# Altium PCB Evaluation Board.PcbDoc (part 18 of 22)
Units mm, origin at the board's own origin, x right, y up, seen from the top; angles counter-clockwise.
Board outline 200 x 200 mm, 4 copper layers (Top Layer, GND, Power, Bottom Layer), stack 1.56 mm thick; 639 components, 758 nets, 3043 pads, 1306 vias.
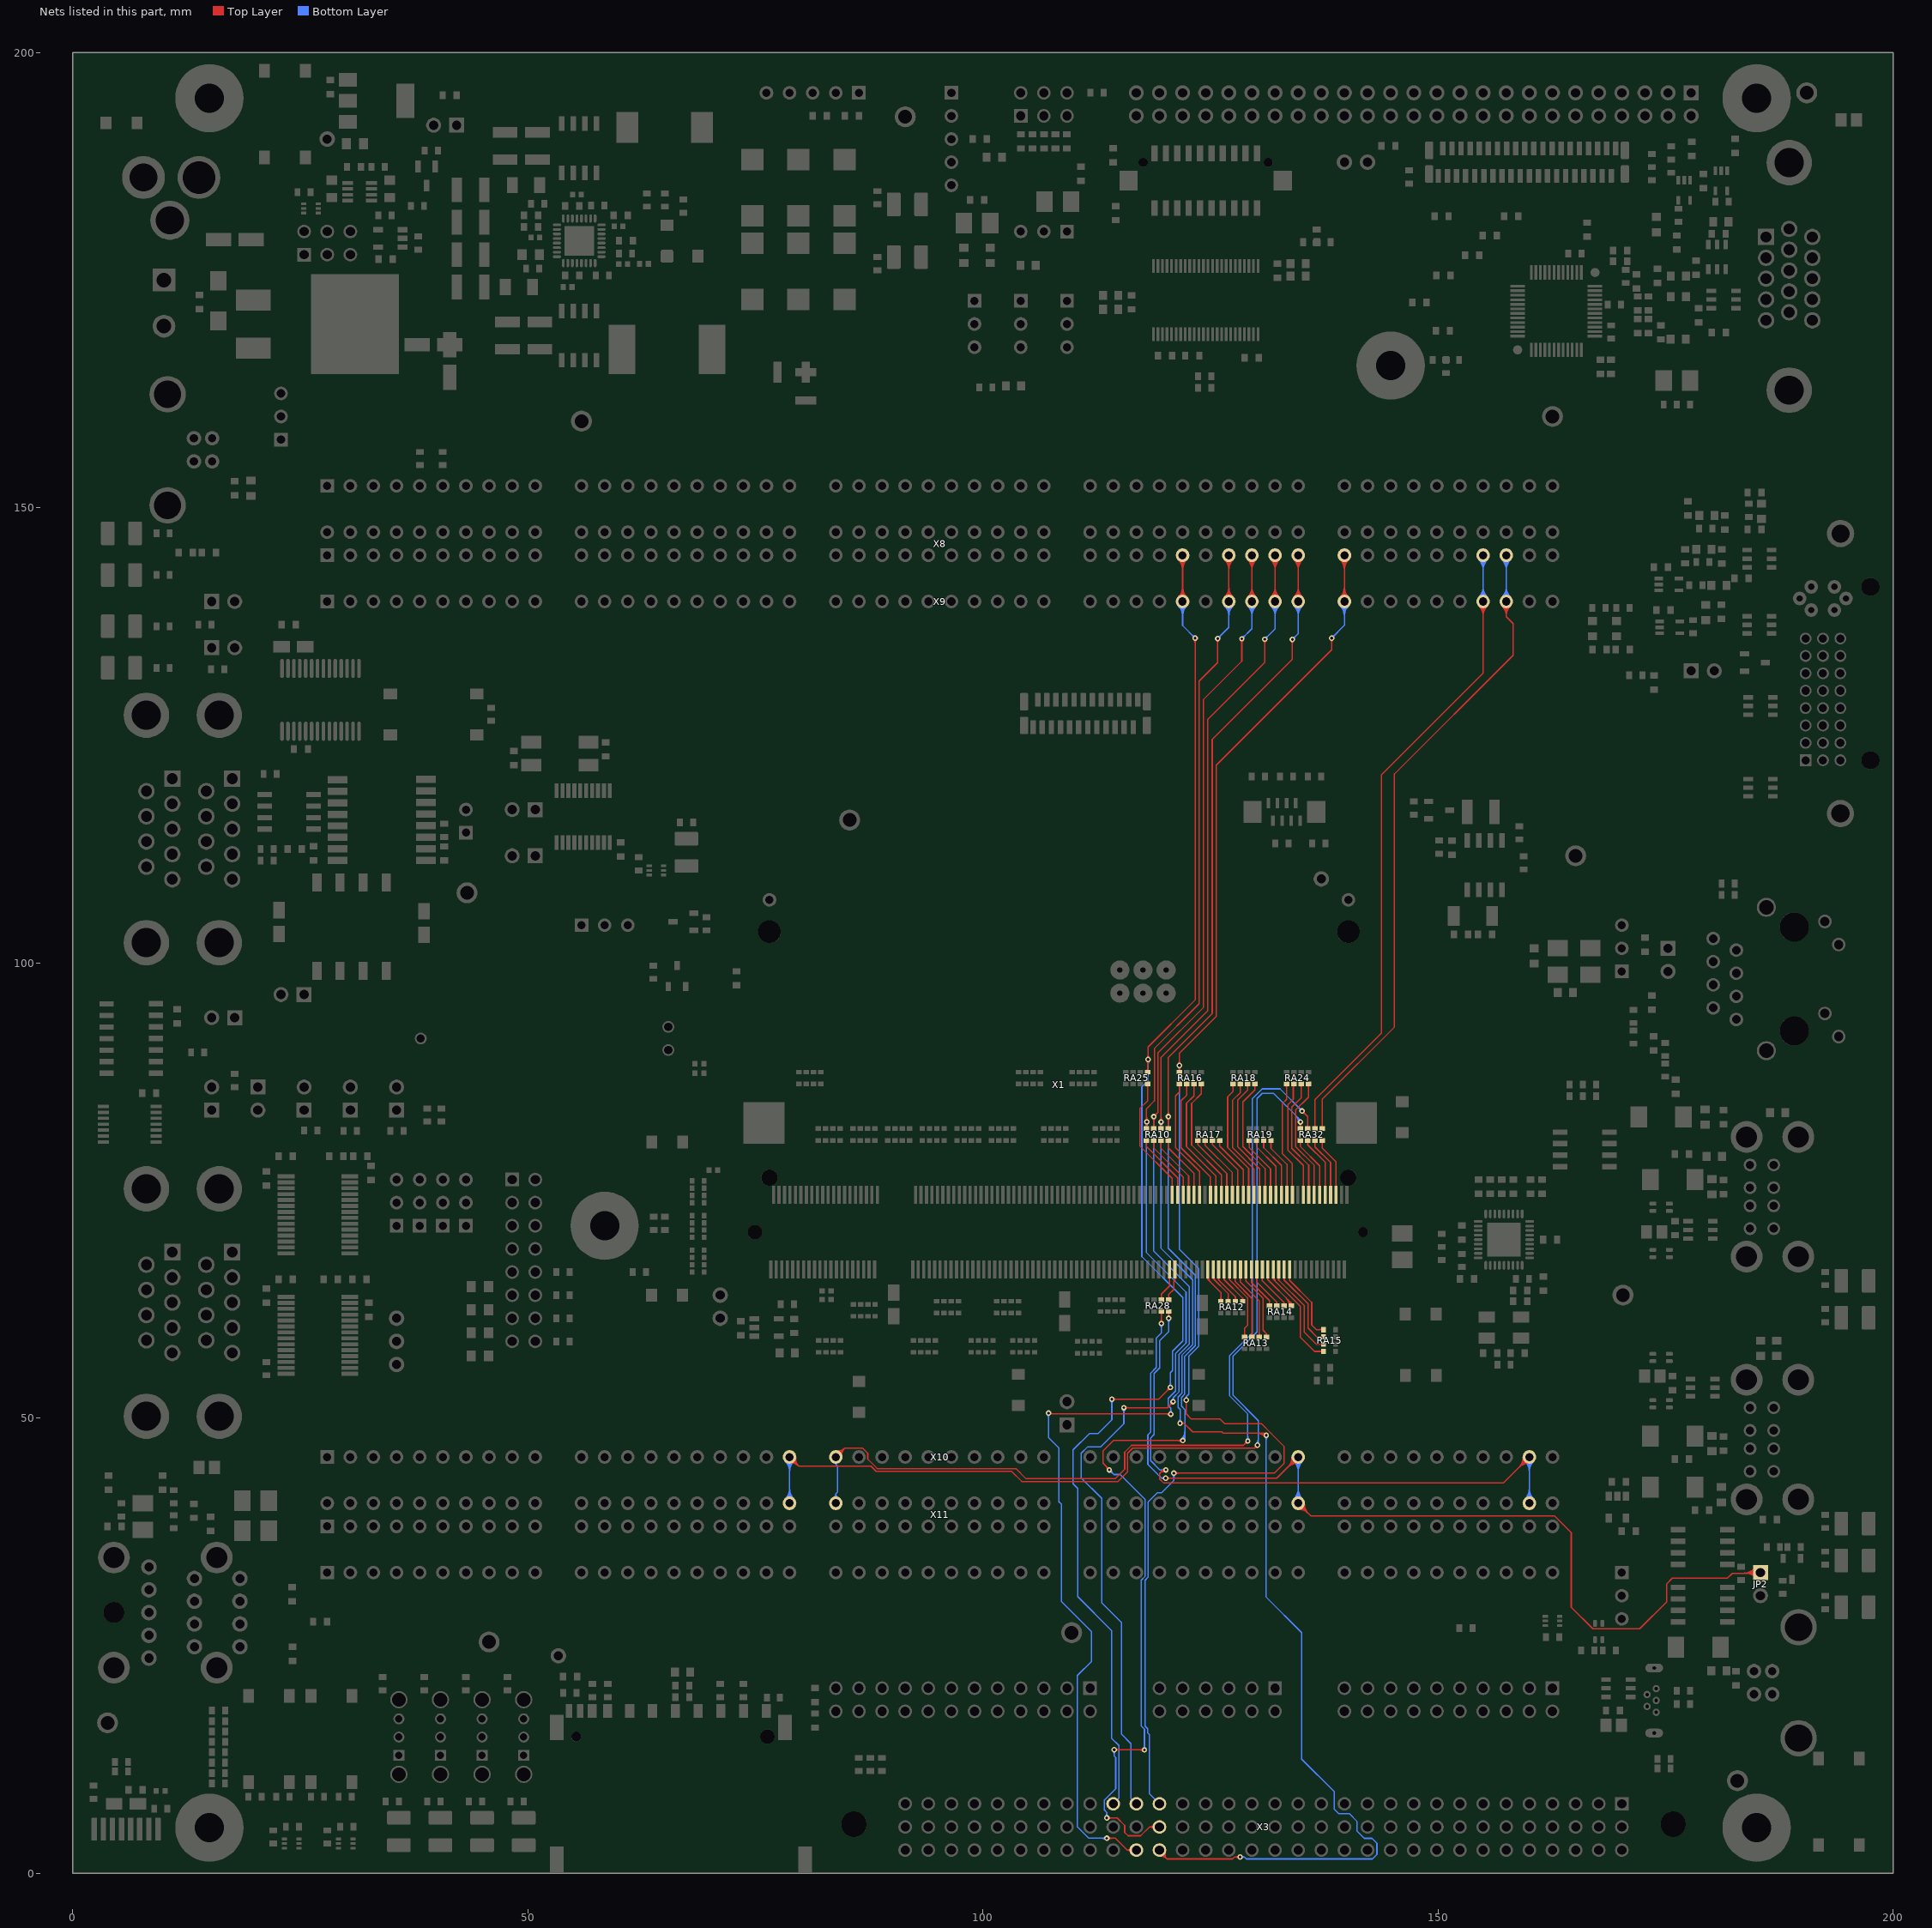
[diagram p20: the nets of this part, all layers, seen from the top]

## Via types
v1: diameter 0.6, hole 0.3, Top Layer to Bottom Layer, 1222 vias
v2: diameter 0.6, hole 0.3, Top Layer to Bottom Layer, tented both sides, 84 vias

## Nets (pads, with @x,y where several pads share a name; then routed paths per layer and width w, separated by ;. In a path a pad name is that pad's centre, name@x,y a point inside that pad or via, vN(x,y) a via of type N, cw(c..) or ccw(c..) an arc to the next point about the centre after c; other vN are vias at no path point) (continued)
SODIMM_135: JP2.1 RA28.6 X10.40 X11.B40 | length 141
  Top Layer w0.15: v1@119.437,60.535 ccw(c119.053,60.919) 119.596,60.919 ccw(c120.139,60.919) v1@119.755,60.535 ; RA28.6@119.472,61.568 cw(c119.174,61.269) 119.596,61.269 cw(c120.018,61.269) RA28.6@119.72,61.568 ; v1(119.596,60.376) RA28.6@119.596,61.692 ; v1(120.066,43.383) 132.258,43.383 X10.40@134.607,45.733 ; v1@120.225,43.224 cw(c120.609,42.84) 120.609,43.383 cw(c120.609,43.926) v1@120.225,43.542 ; 133.424,44.55 cw(c134.62,43.354) X10.40@134.62,45.045 ; 133.486,44.611 ccw(c132.377,45.72) X10.40@133.945,45.72 ; 133.68,44.806 cw(c134.62,43.866) X10.40@134.62,45.195 ; 133.742,44.867 ccw(c132.889,45.72) X10.40@134.095,45.72 ; 133.936,45.062 cw(c134.62,44.378) X10.40@134.62,45.345 ; 133.998,45.123 ccw(c133.401,45.72) X10.40@134.245,45.72 ; X11.B40@134.62,39.965 cw(c134.62,38.335) 135.772,39.488 cw(c136.925,40.64) X11.B40@135.295,40.64 ; X11.B40@134.62,40.115 cw(c134.62,38.848) 135.516,39.744 cw(c136.412,40.64) X11.B40@135.145,40.64 ; X11.B40@134.62,40.265 cw(c134.62,39.36) 135.26,40 cw(c135.9,40.64) X11.B40@134.995,40.64 ; X11.B40@134.62,40.64 136.035,39.225 162.814,39.225 164.625,37.414 164.625,29.217 166.998,26.844 172.144,26.844 175.1,29.8 175.1,31.775 175.725,32.4 181.775,32.4 182.316,32.941 185.341,32.941 JP2.1@185.42,33.02 ; 183.419,32.941 ccw(c183.419,35.021) JP2.1@184.89,33.55 ; 183.781,32.941 ccw(c183.781,34.659) JP2.1@184.996,33.444 ; 183.8,32.941 cw(c183.8,31.4) JP2.1@184.89,32.49 ; 184.143,32.941 ccw(c184.143,34.297) JP2.1@185.102,33.338 ; 184.162,32.941 cw(c184.162,31.762) JP2.1@184.996,32.596 ; 184.505,32.941 ccw(c184.505,33.935) JP2.1@185.208,33.232 ; 184.524,32.941 cw(c184.524,32.124) JP2.1@185.102,32.702
  Bottom Layer w0.15: v1@119.437,60.217 cw(c119.053,59.833) 119.596,59.833 cw(c120.139,59.833) v1@119.755,60.217 ; v1(119.596,60.376) 119.596,59.35 119.025,58.779 119.025,55.546 118.4,54.921 118.4,48.45 118.105,48.155 118.105,44.893 119.143,43.855 119.143,43.849 119.609,43.383 ; v1@119.888,43.246 ccw(c119.609,43.031) 119.609,43.383 ; v1@119.888,43.52 cw(c119.609,43.735) 119.609,43.383 ; v1(120.066,43.383) 119.609,43.383 ; X11.B40@134.143,41.117 ccw(c132.99,42.27) 134.62,42.27 ccw(c136.25,42.27) X11.B40@135.097,41.117 ; X10.40@134.143,45.243 cw(c132.99,44.09) 134.62,44.09 cw(c136.25,44.09) X10.40@135.097,45.243 ; X11.B40@134.249,41.011 ccw(c133.353,41.907) 134.62,41.907 ccw(c135.887,41.907) X11.B40@134.991,41.011 ; X10.40@134.249,45.349 cw(c133.353,44.453) 134.62,44.453 cw(c135.887,44.453) X10.40@134.991,45.349 ; X11.B40@134.355,40.905 ccw(c133.715,41.545) 134.62,41.545 ccw(c135.525,41.545) X11.B40@134.885,40.905 ; X10.40@134.355,45.455 cw(c133.715,44.815) 134.62,44.815 cw(c135.525,44.815) X10.40@134.885,45.455 ; X11.B40@134.62,40.64 X10.40@134.62,45.72
SODIMM_135_S: RA28.2 X1.135 | length 4.7
  Top Layer w0.15: RA28.2@119.472,63.116 ccw(c119.174,63.414) 119.596,63.414 ccw(c120.018,63.414) RA28.2@119.72,63.116 ; RA28.2@119.596,62.992 119.596,63.614 120.482,64.5 X1.135@120.482,66.316 ; X1.135@120.411,65.421 cw(c120.241,65.25) 120.482,65.25 cw(c120.723,65.25) X1.135@120.553,65.421
SODIMM_136: RA25.8 X3.A23 X8.A35 X9.35 | length 180.7
  Top Layer w0.15: v1(114.148,52.07) 119.278,52.07 v1(120.574,53.365) ; v1@114.307,51.911 cw(c114.691,51.527) 114.691,52.07 cw(c114.691,52.613) v1@114.307,52.229 ; RA25.8@117.948,88.114 ccw(c117.649,88.413) 118.072,88.413 ccw(c118.494,88.413) RA25.8@118.195,88.114 ; v1@117.976,89.224 cw(c117.746,88.993) 118.072,88.993 ; v1@117.976,89.542 ccw(c117.592,89.926) 118.135,89.926 ccw(c118.679,89.926) v1@118.294,89.542 ; RA25.8@118.072,87.99 v1@118.072,89.319 ; 118.072,88.685 cw(c118.833,88.685) v1@118.294,89.224 ; 118.072,89.047 cw(c118.471,89.047) v1@118.188,89.33 ; v1(118.135,89.383) 118.135,90.76 123.3,95.925 v1(123.3,135.675) ; v1@120.349,53.365 cw(c119.806,53.365) 120.19,52.981 cw(c120.574,52.597) v1@120.574,53.14 ; X9.35@121.443,140.177 ccw(c120.29,141.33) 121.92,141.33 ccw(c123.55,141.33) X9.35@122.397,140.177 ; X8.A35@121.443,144.303 cw(c120.29,143.15) 121.92,143.15 cw(c123.55,143.15) X8.A35@122.397,144.303 ; X9.35@121.549,140.071 ccw(c120.653,140.967) 121.92,140.967 ccw(c123.187,140.967) X9.35@122.291,140.071 ; X8.A35@121.549,144.409 cw(c120.653,143.513) 121.92,143.513 cw(c123.187,143.513) X8.A35@122.291,144.409 ; X9.35@121.655,139.965 ccw(c121.015,140.605) 121.92,140.605 ccw(c122.825,140.605) X9.35@122.185,139.965 ; X8.A35@121.655,144.515 cw(c121.015,143.875) 121.92,143.875 cw(c122.825,143.875) X8.A35@122.185,144.515 ; X9.35@121.92,139.7 X8.A35@121.92,144.78 ; v1@123.141,135.516 cw(c122.757,135.132) 123.3,135.132 cw(c123.843,135.132) v1@123.459,135.516
  Bottom Layer w0.15: v1@113.989,51.911 cw(c113.604,51.527) 114.148,51.527 cw(c114.691,51.527) v1@114.307,51.911 ; v1(114.148,52.07) 114.148,49.798 112.65,48.3 111.688,48.3 109.885,46.497 109.885,42.775 110.4,42.26 110.4,30.372 114.134,26.638 114.134,14.813 114.927,14.021 114.927,8.247 X3.A23@114.3,7.62 ; v1@117.976,89.224 cw(c117.592,88.839) 118.135,88.839 cw(c118.679,88.839) v1@118.294,89.224 ; v1@118.135,89.243 118.135,87.06 117.446,86.371 117.446,67.729 121.95,63.225 121.95,58.475 120.825,57.35 120.825,55.224 120.574,54.973 v1(120.574,53.365) ; v1@120.415,53.524 ccw(c120.031,53.909) 120.574,53.909 ccw(c121.117,53.909) v1@120.733,53.524 ; X9.35@121.443,139.223 cw(c120.29,138.07) 121.92,138.07 cw(c123.55,138.07) X9.35@122.397,139.223 ; X9.35@121.549,139.329 cw(c120.653,138.433) 121.92,138.433 cw(c123.187,138.433) X9.35@122.291,139.329 ; X9.35@121.655,139.435 cw(c121.015,138.795) 121.92,138.795 cw(c122.825,138.795) X9.35@122.185,139.435 ; X9.35@121.92,139.7 121.92,137.051 123.296,135.675 v1(123.3,135.675) ; 122.909,136.062 ccw(c123.3,136.453) v1@123.3,135.9 ; 122.919,136.053 cw(c122.541,135.675) v1@123.075,135.675
SODIMM_136_S: RA25.4 X1.136 | length 15
  Top Layer w0.15: RA25.4@117.948,86.566 cw(c117.649,86.268) 118.072,86.268 cw(c118.494,86.268) RA25.4@118.195,86.566 ; RA25.4@118.072,86.69 118.072,84.848 117.221,83.998 117.221,79.891 120.782,76.33 X1.136@120.782,74.516 ; X1.136@120.711,75.412 ccw(c120.541,75.583) 120.782,75.583 ccw(c121.023,75.583) X1.136@120.853,75.412
SODIMM_137: RA28.5 X10.49 X11.B49 | length 90
  Top Layer w0.15: 119.582,44.093 cw(c119.942,43.732) v1@120.072,44.225 ; 119.766,44.277 cw(c120.019,44.024) v1@120.11,44.37 ; v1@119.876,44.231 ccw(c119.786,44.204) 119.786,44.298 ; v1@119.876,44.364 cw(c119.786,44.392) 119.786,44.298 ; v1@120.034,44.08 ccw(c119.865,43.44) 119.397,43.908 ; v1(120.091,44.298) 119.786,44.298 ; RA28.5@120.272,61.568 cw(c119.974,61.269) 120.396,61.269 cw(c120.818,61.269) RA28.5@120.52,61.568 ; v1(120.396,60.96) RA28.5@120.396,61.692 ; X10.49@159.345,45.72 cw(c157.715,45.72) 158.868,44.568 cw(c160.02,43.415) X10.49@160.02,45.045 ; X10.49@159.495,45.72 cw(c158.228,45.72) 159.124,44.824 cw(c160.02,43.928) X10.49@160.02,45.195 ; X10.49@159.645,45.72 cw(c158.74,45.72) 159.38,45.08 cw(c160.02,44.44) X10.49@160.02,45.345 ; X10.49@160.02,45.72 157.158,42.858 119.848,42.858 119.397,43.31 119.397,43.908 ; 119.397,43.908 119.786,44.298
  Bottom Layer w0.15: v1@119.932,44.139 ccw(c119.548,43.754) 119.548,44.298 ccw(c119.548,44.841) v1@119.932,44.457 ; v1(120.091,44.298) 119.424,44.298 118.405,45.316 118.405,47.805 118.791,48.191 118.791,54.887 119.4,55.496 119.4,58.5 120.396,59.496 v1(120.396,60.96) ; v1@120.237,60.801 cw(c119.853,60.417) 120.396,60.417 cw(c120.939,60.417) v1@120.555,60.801 ; X11.B49@159.543,41.117 ccw(c158.39,42.27) 160.02,42.27 ccw(c161.65,42.27) X11.B49@160.497,41.117 ; X10.49@159.543,45.243 cw(c158.39,44.09) 160.02,44.09 cw(c161.65,44.09) X10.49@160.497,45.243 ; X11.B49@159.649,41.011 ccw(c158.753,41.907) 160.02,41.907 ccw(c161.287,41.907) X11.B49@160.391,41.011 ; X10.49@159.649,45.349 cw(c158.753,44.453) 160.02,44.453 cw(c161.287,44.453) X10.49@160.391,45.349 ; X11.B49@159.755,40.905 ccw(c159.115,41.545) 160.02,41.545 ccw(c160.925,41.545) X11.B49@160.285,40.905 ; X10.49@159.755,45.455 cw(c159.115,44.815) 160.02,44.815 cw(c160.925,44.815) X10.49@160.285,45.455 ; X11.B49@160.02,40.64 X10.49@160.02,45.72
SODIMM_137_S: RA28.1 X1.137 | length 4.7
  Top Layer w0.15: RA28.1@120.272,63.116 ccw(c119.974,63.414) 120.396,63.414 ccw(c120.818,63.414) RA28.1@120.52,63.116 ; RA28.1@120.396,62.992 120.396,63.576 120.959,64.139 120.959,65.022 121.097,65.161 121.082,65.176 X1.137@121.082,66.316 ; X1.137@121.011,65.421 cw(c120.84,65.25) 121.082,65.25 cw(c121.323,65.25) X1.137@121.153,65.421
SODIMM_138: RA10.5 X3.C22 X8.A37 X9.37 | length 198.6
  Top Layer w0.15: v1(107.188,50.546) 107.284,50.45 111.887,50.45 111.898,50.461 112.333,50.461 112.344,50.45 120.611,50.45 120.625,50.436 v1(120.625,50.425) ; v2(113.589,3.835) 114.554,3.835 115.849,2.54 ; v2@113.748,3.676 cw(c114.132,3.292) 114.132,3.835 cw(c114.132,4.379) v2@113.748,3.994 ; X3.C22@116.212,2.293 ccw(c115.849,2.151) 115.849,2.54 ; X3.C22@116.212,2.787 cw(c115.849,2.929) 115.849,2.54 ; X3.C22@116.351,2.348 ccw(c116.07,2.237) 116.07,2.54 ccw(c116.07,2.843) X3.C22@116.351,2.732 ; X3.C22@116.84,2.54 115.849,2.54 ; v1@117.822,82.688 ccw(c117.493,83.016) 117.958,83.016 ; RA10.5@117.834,81.916 ccw(c117.535,82.215) 117.958,82.215 ccw(c118.38,82.215) RA10.5@118.081,81.916 ; RA10.5@117.958,81.793 v1@117.958,82.525 ; 117.958,83.128 ccw(c118.58,83.128) v1@118.14,82.688 ; v1(117.981,82.529) 117.962,82.529 v1@117.958,82.525 ; 120.021,50.45 cw(c120.021,49.821) v1@120.466,50.266 ; 120.142,50.45 ccw(c120.142,50.908) v1@120.466,50.584 ; v1@125.616,135.466 cw(c125.232,135.082) 125.775,135.082 cw(c126.318,135.082) v1@125.934,135.466 ; v1(125.775,135.625) 125.775,132.989 123.75,130.964 123.75,95.525 118.821,90.596 118.821,84.836 117.958,83.972 v1@117.958,82.525 ; X9.37@126.523,140.177 ccw(c125.37,141.33) 127,141.33 ccw(c128.63,141.33) X9.37@127.477,140.177 ; X8.A37@126.523,144.303 cw(c125.37,143.15) 127,143.15 cw(c128.63,143.15) X8.A37@127.477,144.303 ; X9.37@126.629,140.071 ccw(c125.733,140.967) 127,140.967 ccw(c128.267,140.967) X9.37@127.371,140.071 ; X8.A37@126.629,144.409 cw(c125.733,143.513) 127,143.513 cw(c128.267,143.513) X8.A37@127.371,144.409 ; X9.37@126.735,139.965 ccw(c126.095,140.605) 127,140.605 ccw(c127.905,140.605) X9.37@127.265,139.965 ; X8.A37@126.735,144.515 cw(c126.095,143.875) 127,143.875 cw(c127.905,143.875) X8.A37@127.265,144.515 ; X9.37@127,139.7 X8.A37@127,144.78
  Bottom Layer w0.15: v1@107.029,50.387 cw(c106.645,50.003) 107.188,50.003 cw(c107.731,50.003) v1@107.347,50.387 ; v1(107.188,50.546) 107.188,47.843 108.325,46.706 108.325,40.81 108.625,40.51 108.625,29.825 111.925,26.525 111.925,23.274 110.363,21.712 110.363,5.098 111.626,3.835 v2(113.589,3.835) ; v2@113.43,3.676 ccw(c113.046,3.292) 113.046,3.835 ccw(c113.046,4.379) v2@113.43,3.994 ; v1@117.822,82.37 cw(c117.493,82.042) 117.958,82.042 ; 117.958,81.93 cw(c118.58,81.93) v1@118.14,82.37 ; v1(117.981,82.529) 117.962,82.529 117.958,82.525 117.958,68.167 122.3,63.825 122.3,58.225 121.15,57.075 121.15,52.969 120.35,52.169 120.35,51.354 120.625,51.079 v1(120.625,50.425) ; v1@120.466,50.584 ccw(c120.082,50.968) 120.625,50.968 ccw(c121.168,50.968) v1@120.784,50.584 ; v1(125.775,135.625) 127,136.85 X9.37@127,139.7 ; v1@125.775,135.85 ccw(c125.775,136.393) 126.159,136.009 ccw(c126.543,135.625) v1@126,135.625 ; X9.37@126.523,139.223 cw(c125.37,138.07) 127,138.07 cw(c128.63,138.07) X9.37@127.477,139.223 ; X9.37@126.629,139.329 cw(c125.733,138.433) 127,138.433 cw(c128.267,138.433) X9.37@127.371,139.329 ; X9.37@126.735,139.435 cw(c126.095,138.795) 127,138.795 cw(c127.905,138.795) X9.37@127.265,139.435
SODIMM_138_S: RA10.1 X1.138 | length 8.4
  Top Layer w0.15: RA10.1@117.834,80.369 cw(c117.535,80.07) 117.958,80.07 cw(c118.38,80.07) RA10.1@118.081,80.369 ; RA10.1@117.958,80.493 117.958,79.817 121.382,76.393 X1.138@121.382,74.516 ; X1.138@121.311,75.412 ccw(c121.141,75.583) 121.382,75.583 ccw(c121.623,75.583) X1.138@121.453,75.412
SODIMM_140: RA10.6 X3.A22 X8.A38 X9.38 | length 181.6
  Top Layer w0.15: v1(115.468,51.13) 120.244,51.13 120.879,51.765 v1(120.879,51.791) ; v1@115.627,50.971 cw(c116.012,50.587) 116.012,51.13 cw(c116.012,51.673) v1@115.627,51.289 ; v1@118.598,82.95 cw(c118.214,82.566) 118.758,82.566 cw(c119.301,82.566) v1@118.917,82.95 ; RA10.6@118.634,81.916 ccw(c118.335,82.215) 118.758,82.215 ccw(c119.18,82.215) RA10.6@118.881,81.916 ; RA10.6@118.758,81.793 v1(118.758,83.109) 119.2,83.551 119.2,90.1 124.225,95.125 124.225,128.949 128.425,133.149 v1(128.425,135.6) ; v1@118.758,83.334 ccw(c118.758,83.877) 119.142,83.493 ccw(c119.526,83.109) v1@118.983,83.109 ; 120.477,51.363 ccw(c120.049,51.791) v1@120.654,51.791 ; 120.538,51.424 cw(c120.879,51.084) v1@120.879,51.566 ; v1@128.266,135.441 cw(c127.882,135.057) 128.425,135.057 cw(c128.968,135.057) v1@128.584,135.441 ; X9.38@129.063,140.177 ccw(c127.91,141.33) 129.54,141.33 ccw(c131.17,141.33) X9.38@130.017,140.177 ; X8.A38@129.063,144.303 cw(c127.91,143.15) 129.54,143.15 cw(c131.17,143.15) X8.A38@130.017,144.303 ; X9.38@129.169,140.071 ccw(c128.273,140.967) 129.54,140.967 ccw(c130.807,140.967) X9.38@129.911,140.071 ; X8.A38@129.169,144.409 cw(c128.273,143.513) 129.54,143.513 cw(c130.807,143.513) X8.A38@129.911,144.409 ; X9.38@129.275,139.965 ccw(c128.635,140.605) 129.54,140.605 ccw(c130.445,140.605) X9.38@129.805,139.965 ; X8.A38@129.275,144.515 cw(c128.635,143.875) 129.54,143.875 cw(c130.445,143.875) X8.A38@129.805,144.515 ; X9.38@129.54,139.7 X8.A38@129.54,144.78
  Bottom Layer w0.15: v1@115.309,50.971 cw(c114.925,50.587) 115.468,50.587 cw(c116.012,50.587) v1@115.627,50.971 ; v1(115.468,51.13) 115.468,49.368 112.95,46.85 111.511,46.85 110.785,46.124 110.785,43.418 113.035,41.168 113.035,29.69 115.225,27.5 115.225,15.25 116.256,14.219 116.256,8.204 X3.A22@116.84,7.62 ; v1@118.598,82.95 cw(c118.214,82.566) 118.758,82.566 cw(c119.301,82.566) v1@118.917,82.95 ; v1(118.758,83.109) 118.758,68.317 122.65,64.425 122.65,58.121 121.539,57.01 121.539,52.889 120.904,52.254 ; v1@120.755,51.979 ccw(c120.575,52.254) 120.904,52.254 ; v1@120.904,51.841 120.904,52.254 ; v1@121.033,51.954 cw(c121.317,52.254) 120.904,52.254 ; v1(128.425,135.6) 129.54,136.715 X9.38@129.54,139.7 ; v1@128.425,135.825 ccw(c128.425,136.368) 128.809,135.984 ccw(c129.193,135.6) v1@128.65,135.6 ; X9.38@129.063,139.223 cw(c127.91,138.07) 129.54,138.07 cw(c131.17,138.07) X9.38@130.017,139.223 ; X9.38@129.169,139.329 cw(c128.273,138.433) 129.54,138.433 cw(c130.807,138.433) X9.38@129.911,139.329 ; X9.38@129.275,139.435 cw(c128.635,138.795) 129.54,138.795 cw(c130.445,138.795) X9.38@129.805,139.435
SODIMM_140_S: RA10.2 X1.140 | length 8.4
  Top Layer w0.15: RA10.2@118.634,80.369 cw(c118.335,80.07) 118.758,80.07 cw(c119.18,80.07) RA10.2@118.881,80.369 ; RA10.2@118.758,80.493 118.758,79.667 121.982,76.443 X1.140@121.982,74.516 ; X1.140@121.911,75.412 ccw(c121.741,75.583) 121.982,75.583 ccw(c122.223,75.583) X1.140@122.053,75.412
SODIMM_142: RA10.7 X3.C21 X8.A39 X9.39 | length 222.5
  Top Layer w0.15: X3.C21@119.38,2.54 119.38,2.388 120.203,1.565 ; v1@119.398,82.684 ccw(c119.014,83.068) 119.558,83.068 ccw(c120.101,83.068) v1@119.717,82.684 ; X3.C21@119.408,2.016 cw(c119.448,1.286) 119.965,1.803 ; X3.C21@119.417,1.866 cw(c119.472,0.835) 120.203,1.565 ; RA10.7@119.434,81.916 ccw(c119.135,82.215) 119.558,82.215 ccw(c119.98,82.215) RA10.7@119.681,81.916 ; RA10.7@119.558,81.793 v1(119.558,82.525) 119.558,89.633 124.7,94.775 124.7,126.757 130.95,133.007 v1(130.95,135.55) ; X3.C21@119.736,2.423 ccw(c120.214,2.265) 119.858,1.909 ; X3.C21@119.879,2.376 ccw(c120.473,2.18) 120.03,1.737 ; X3.C21@120.021,2.329 ccw(c120.732,2.094) 120.203,1.565 ; v1(121.641,49.428) 122.072,49.428 ; v1@121.825,49.3 cw(c122.072,49.128) 122.072,49.428 ; v1@121.825,49.557 ccw(c122.072,49.729) 122.072,49.428 ; v2@128.086,1.619 ccw(c127.701,1.235) 127.701,1.778 ccw(c127.701,2.321) v2@128.086,1.937 ; v2(128.245,1.778) 127.617,1.778 127.404,1.565 120.203,1.565 ; 129.999,48.345 cw(c129.999,46.992) v1@130.956,47.949 ; 130.362,48.345 cw(c130.362,47.354) v1@131.062,48.055 ; 130.724,48.345 cw(c130.724,47.716) v1@131.168,48.161 ; v1@130.791,135.391 cw(c130.407,135.007) 130.95,135.007 cw(c131.493,135.007) v1@131.109,135.391 ; v1@130.907,48.195 ccw(c130.781,48.248) 130.878,48.345 ; v1@131.028,48.315 cw(c130.975,48.442) 130.878,48.345 ; v1(131.115,48.108) 130.878,48.345 ; X9.39@131.603,140.177 ccw(c130.45,141.33) 132.08,141.33 ccw(c133.71,141.33) X9.39@132.557,140.177 ; X8.A39@131.603,144.303 cw(c130.45,143.15) 132.08,143.15 cw(c133.71,143.15) X8.A39@132.557,144.303 ; X9.39@131.709,140.071 ccw(c130.813,140.967) 132.08,140.967 ccw(c133.347,140.967) X9.39@132.451,140.071 ; X8.A39@131.709,144.409 cw(c130.813,143.513) 132.08,143.513 cw(c133.347,143.513) X8.A39@132.451,144.409 ; X9.39@131.815,139.965 ccw(c131.175,140.605) 132.08,140.605 ccw(c132.985,140.605) X9.39@132.345,139.965 ; X8.A39@131.815,144.515 cw(c131.175,143.875) 132.08,143.875 cw(c132.985,143.875) X8.A39@132.345,144.515 ; X9.39@132.08,139.7 X8.A39@132.08,144.78 ; 122.072,49.428 123.02,48.48 126.227,48.48 126.362,48.345 130.878,48.345
  Bottom Layer w0.15: v1@119.398,82.366 cw(c119.014,81.981) 119.558,81.981 cw(c120.101,81.981) v1@119.717,82.366 ; v1(119.558,82.525) 119.558,68.637 123.025,65.17 123.025,58.071 121.839,56.885 121.839,52.724 121.425,52.31 121.425,51.175 121.658,50.942 121.658,49.445 v1(121.641,49.428) ; v1@121.482,49.587 ccw(c121.056,50.013) 121.658,50.013 ; 121.658,49.931 ccw(c122.143,49.931) v1@121.8,49.587 ; v2(128.245,1.778) 128.702,1.778 ; v2@128.423,1.641 cw(c128.702,1.426) 128.702,1.778 ; v2@128.423,1.915 ccw(c128.702,2.13) 128.702,1.778 ; v1(130.95,135.55) 132.08,136.68 X9.39@132.08,139.7 ; v1@130.95,135.775 ccw(c130.95,136.318) 131.334,135.934 ccw(c131.718,135.55) v1@131.175,135.55 ; v1@130.956,47.949 cw(c130.595,47.588) 131.105,47.588 ; 131.105,47.541 cw(c131.682,47.541) v1@131.274,47.949 ; v1@131.105,48.123 131.105,30.32 135,26.425 135,12.533 138.6,8.933 138.6,7 139.075,6.525 140.249,6.525 141.1,5.674 141.1,4.6 141.875,3.825 142.725,3.825 143.275,3.275 143.275,2.05 142.79,1.565 128.915,1.565 128.702,1.778 ; X9.39@131.603,139.223 cw(c130.45,138.07) 132.08,138.07 cw(c133.71,138.07) X9.39@132.557,139.223 ; X9.39@131.709,139.329 cw(c130.813,138.433) 132.08,138.433 cw(c133.347,138.433) X9.39@132.451,139.329 ; X9.39@131.815,139.435 cw(c131.175,138.795) 132.08,138.795 cw(c132.985,138.795) X9.39@132.345,139.435
SODIMM_142_S: RA10.3 X1.142 | length 8.3
  Top Layer w0.15: RA10.3@119.434,80.369 cw(c119.135,80.07) 119.558,80.07 cw(c119.98,80.07) RA10.3@119.681,80.369 ; RA10.3@119.558,80.493 119.558,79.617 122.582,76.593 X1.142@122.582,74.516 ; X1.142@122.511,75.412 ccw(c122.341,75.583) 122.582,75.583 ccw(c122.823,75.583) X1.142@122.653,75.412
SODIMM_144: RA10.8 X3.B21 X8.A40 X9.40 | length 205.2
  Top Layer w0.15: 113.448,44.768 cw(c112.977,44.298) v1@113.643,44.298 ; 113.571,44.646 ccw(c113.868,44.943) v1@113.868,44.523 ; v2(113.589,6.071) 113.604,6.055 114.747,6.055 115.565,5.237 115.565,4.475 115.935,4.105 117.313,4.105 118.288,5.08 ; v2@113.748,5.912 cw(c114.094,5.565) 114.094,6.055 ; v2@113.748,6.23 ccw(c114.17,6.651) 114.17,6.055 ; v1(113.868,44.298) 113.868,44.348 113.175,45.042 113.175,46.375 114.323,47.523 v1(121.945,47.523) ; v1(114.402,13.564) 117.704,13.564 v1(117.729,13.538) ; v1@114.561,13.405 cw(c114.945,13.02) 114.945,13.564 cw(c114.945,14.107) v1@114.561,13.723 ; 117.124,13.564 cw(c117.124,12.934) v1@117.57,13.379 ; 117.247,13.564 ccw(c117.247,14.02) v1@117.57,13.697 ; X3.B21@118.776,4.778 ccw(c118.288,4.534) 118.288,5.08 ; X3.B21@118.776,5.382 cw(c118.288,5.626) 118.288,5.08 ; X3.B21@118.91,4.845 ccw(c118.531,4.655) 118.531,5.08 ccw(c118.531,5.505) X3.B21@118.91,5.315 ; X3.B21@119.38,5.08 118.288,5.08 ; v1@120.198,82.95 cw(c119.814,82.566) 120.358,82.566 cw(c120.901,82.566) v1@120.517,82.95 ; v1@120.198,83.268 ccw(c119.814,83.652) 120.358,83.652 ccw(c120.901,83.652) v1@120.517,83.268 ; RA10.8@120.234,81.916 ccw(c119.935,82.215) 120.358,82.215 ccw(c120.78,82.215) RA10.8@120.481,81.916 ; RA10.8@120.358,81.793 v1(120.358,83.109) 120.358,89.608 125.175,94.425 125.175,124.54 133.975,133.34 v1(133.975,135.525) ; v1@121.786,47.364 ccw(c121.402,46.98) 121.402,47.523 ccw(c121.402,48.067) v1@121.786,47.682 ; v1@133.816,135.366 cw(c133.432,134.982) 133.975,134.982 cw(c134.518,134.982) v1@134.134,135.366 ; X9.40@134.143,140.177 ccw(c132.99,141.33) 134.62,141.33 ccw(c136.25,141.33) X9.40@135.097,140.177 ; X8.A40@134.143,144.303 cw(c132.99,143.15) 134.62,143.15 cw(c136.25,143.15) X8.A40@135.097,144.303 ; X9.40@134.249,140.071 ccw(c133.353,140.967) 134.62,140.967 ccw(c135.887,140.967) X9.40@134.991,140.071 ; X8.A40@134.249,144.409 cw(c133.353,143.513) 134.62,143.513 cw(c135.887,143.513) X8.A40@134.991,144.409 ; X9.40@134.355,139.965 ccw(c133.715,140.605) 134.62,140.605 ccw(c135.525,140.605) X9.40@134.885,139.965 ; X8.A40@134.355,144.515 cw(c133.715,143.875) 134.62,143.875 cw(c135.525,143.875) X8.A40@134.885,144.515 ; X9.40@134.62,139.7 X8.A40@134.62,144.78